# KiCad board tc2-panelized.kicad_pcb (continued)
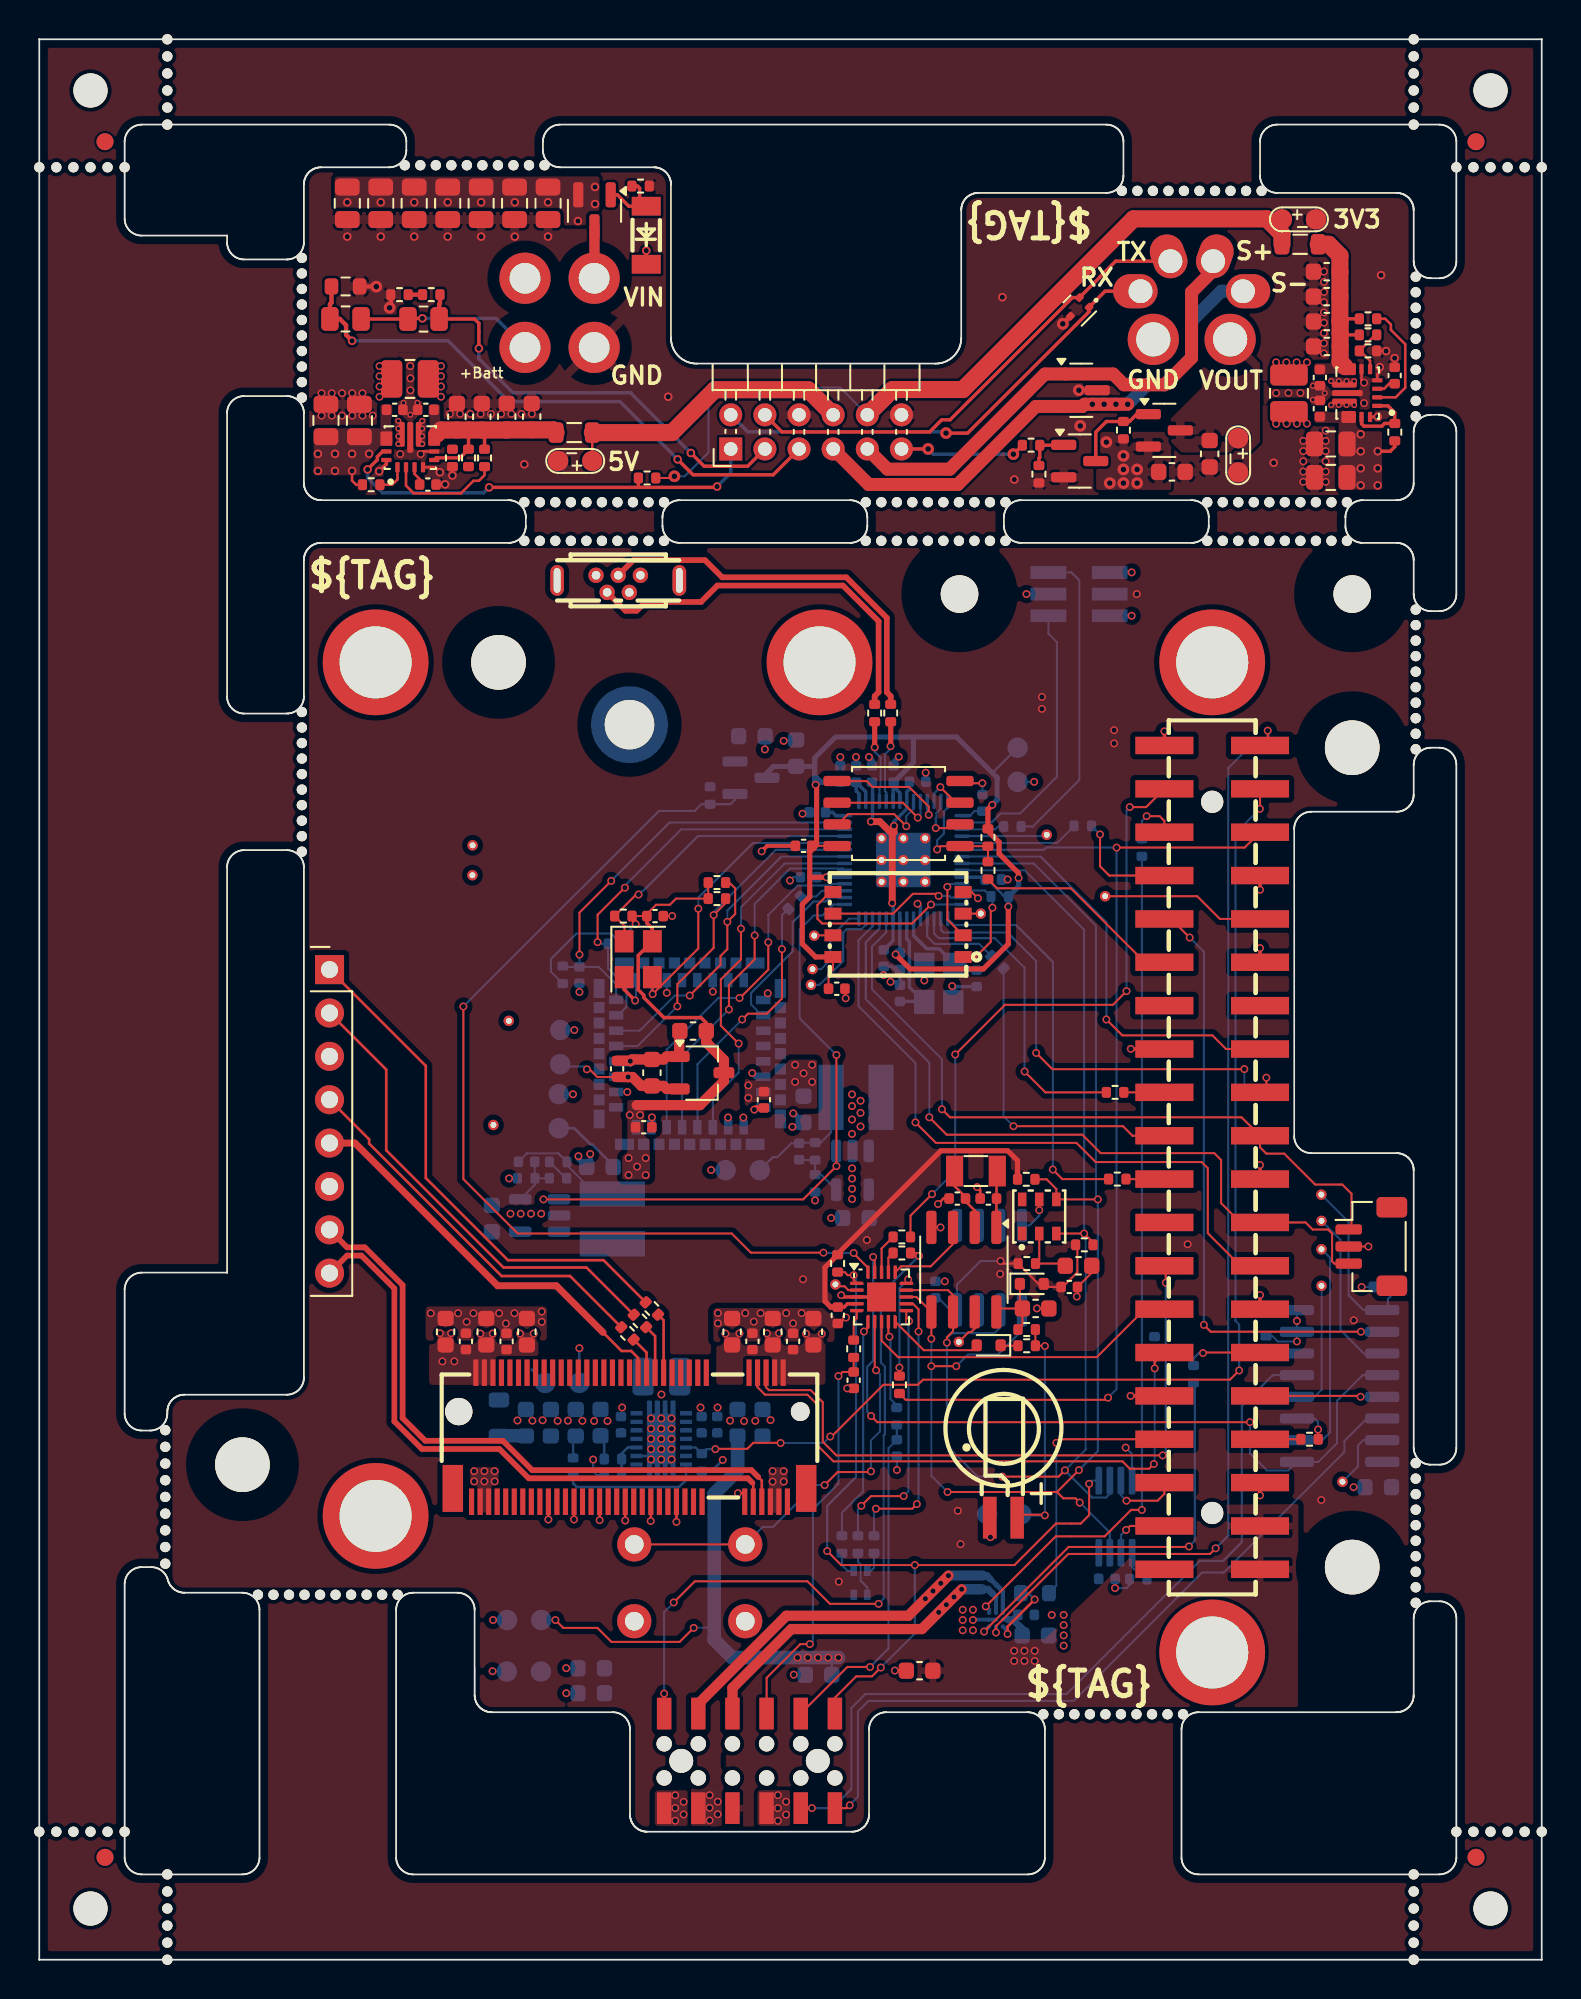
[diagram p0: board, top side]
## Nets (continued)
Board_0-MEM_SPI_SCLK: Board_0-U3.13 Board_0-U4.6
Board_0-MEM_SPI_~{CS}: Board_0-R9.1 Board_0-U3.12 Board_0-U4.1
Board_0-MODEM_POWER_EN: Board_0-J4.38 Board_0-R44.1 Board_0-U5.12
Board_0-MUL_S0: Board_0-J4.31 Board_0-U15.10
Board_0-Net-(D2-K): Board_0-D2.1 Board_0-R7.2
Board_0-Net-(J4-GPIO14/TXD): Board_0-J4.8 Board_0-R37.1
Board_0-Net-(J4-GPIO18/PWM0): Board_0-J4.12 Board_0-R34.2
Board_0-Net-(J4-GPIO19/MISO1): Board_0-J4.35 Board_0-R29.2
Board_0-Net-(J4-GPIO21/SCLK1): Board_0-J4.40 Board_0-R30.2
Board_0-Net-(R20-Pad2): Board_0-R20.2 Board_0-R33.1
Board_0-Net-(U3-XIN): Board_0-C3.2 Board_0-U3.20 Board_0-Y1.1
Board_0-Net-(U3-XOUT): Board_0-C4.2 Board_0-U3.21 Board_0-Y1.3
Board_0-Net-(U5-FB): Board_0-R42.2 Board_0-R45.1 Board_0-U5.3
Board_0-Net-(U5-PG): Board_0-R43.2 Board_0-U5.14
Board_0-Net-(U8-SPI_MISO): Board_0-R16.2 Board_0-U8.12
Board_0-Net-(U12-USIM_CLK): Board_0-R26.1 Board_0-U12.32
Board_0-Net-(U12-USIM_DATA): Board_0-R27.1 Board_0-U12.34
Board_0-Net-(U12-USIM_RST): Board_0-R25.1 Board_0-U12.30
Board_0-Net-(U14-~{SD_MODE}): Board_0-R12.2 Board_0-U14.A1
Board_0-Net-(U15-1Y2): Board_0-TP15.1 Board_0-U15.15
Board_0-Net-(U15-1Y3): Board_0-TP11.1 Board_0-U15.11
Board_0-Net-(U15-2Y2): Board_0-TP16.1 Board_0-U15.2
Board_0-Net-(U15-2Y3): Board_0-TP21.1 Board_0-U15.4
Board_0-Net-(U15-S1): Board_0-R47.2 Board_0-TP7.1 Board_0-U15.9
Board_0-Net-(U18-READY): Board_0-R52.2 Board_0-U18.5
Board_0-OUT_RX: Board_0-J10.2 Board_0-U15.14
Board_0-OUT_TX: Board_0-J10.4 Board_0-U15.5
Board_0-PDM_CLOCK: Board_0-J9.1 Board_0-R28.2
Board_0-PDM_DATA: Board_0-J9.5 Board_0-U3.2
Board_0-QSPI_SCLK: Board_0-U2.6 Board_0-U3.52
Board_0-QSPI_SD0: Board_0-U2.5 Board_0-U3.53
Board_0-QSPI_SD1: Board_0-U2.2 Board_0-U3.55
Board_0-QSPI_SD2: Board_0-U2.3 Board_0-U3.54
Board_0-QSPI_SD3: Board_0-U2.7 Board_0-U3.51
Board_0-QSPI_SS: Board_0-R1.1 Board_0-R2.2 Board_0-U2.1 Board_0-U3.56
Board_0-RPI_PING: Board_0-J4.26 Board_0-U3.7
Board_0-RPI_RX: Board_0-J4.10 Board_0-U15.13
Board_0-RPI_SCL: Board_0-J4.5 Board_0-U18.3
Board_0-RPI_SDA: Board_0-J4.3 Board_0-U18.6
Board_0-RPI_SPI_CS: Board_0-R31.2 Board_0-U3.16
Board_0-RPI_SPI_MISO: Board_0-J4.21 Board_0-R48.2
Board_0-RPI_SPI_MOSI: Board_0-R14.2 Board_0-U3.15
Board_0-RPI_SPI_SCLK: Board_0-R32.2 Board_0-U3.17
Board_0-RPI_TX: Board_0-R37.2 Board_0-U15.3
Board_0-RTC_BT_SENSE_PHY: Board_0-D2.2 Board_0-U1.10
Board_0-RUN: Board_0-J4.16 Board_0-U3.26
Board_0-SCL: Board_0-R11.2 Board_0-U1.14 Board_0-U3.9 Board_0-U6.6 Board_0-U13.3 Board_0-U16.6 Board_0-U18.2
Board_0-SDA: Board_0-R10.2 Board_0-U1.13 Board_0-U3.8 Board_0-U6.5 Board_0-U13.4 Board_0-U16.5 Board_0-U18.7
Board_0-SPEAKER_+: Board_0-J10.9 Board_0-U14.A3
Board_0-SPEAKER_-: Board_0-J10.7 Board_0-U14.B3
Board_0-SPEAKER_SD_MODE: Board_0-J4.7 Board_0-R12.1
Board_0-SW_CLK: Board_0-J3.1 Board_0-J4.22 Board_0-U3.24
Board_0-SWD: Board_0-J3.3 Board_0-J4.18 Board_0-U3.25
Board_0-unconnected-(J1-Pin_1-Pad1): Board_0-J1.1
Board_0-unconnected-(J2-Pin_1-Pad1): Board_0-J2.1
Board_0-unconnected-(J3-PadMP_1): Board_0-J3.MP_1
Board_0-unconnected-(J3-PadMP_2): Board_0-J3.MP_2
Board_0-unconnected-(J4-3V3-Pad1): Board_0-J4.1
Board_0-unconnected-(J4-3V3-Pad17): Board_0-J4.17
Board_0-unconnected-(J4-ID_SC/GPIO1-Pad28): Board_0-J4.28
Board_0-unconnected-(J4-ID_SD/GPIO0-Pad27): Board_0-J4.27
Board_0-unconnected-(J5-Pin_1-Pad1): Board_0-J5.1
Board_0-unconnected-(J6-Pin_1-Pad1): Board_0-J6.1
Board_0-unconnected-(J7-Pin_1-Pad1): Board_0-J7.1
Board_0-unconnected-(J8-Pin_1-Pad1): Board_0-J8.1
Board_0-unconnected-(J12-ID-Pad4): Board_0-J12.4
Board_0-unconnected-(J12-VBUS-Pad1): Board_0-J12.1
Board_0-unconnected-(U5-PS/SYNC-Pad13): Board_0-U5.13
Board_0-unconnected-(U5-VINA-Pad1): Board_0-U5.1
Board_0-unconnected-(U8-GPIO0-Pad5): Board_0-U8.5
Board_0-unconnected-(U8-GPIO1-Pad4): Board_0-U8.4
Board_0-unconnected-(U8-GPIO2-Pad3): Board_0-U8.3
Board_0-unconnected-(U8-MIPI_CLK_N-Pad28): Board_0-U8.28
Board_0-unconnected-(U8-MIPI_CLK_P-Pad29): Board_0-U8.29
Board_0-unconnected-(U8-MIPI_DATA_N-Pad31): Board_0-U8.31
Board_0-unconnected-(U8-MIPI_DATA_P-Pad32): Board_0-U8.32
Board_0-unconnected-(U8-NC-Pad17): Board_0-U8.17
Board_0-unconnected-(U12-ANTCTL_0-Pad59): Board_0-U12.59
Board_0-unconnected-(U12-ANTCTL_1-Pad61): Board_0-U12.61
Board_0-unconnected-(U12-ANTCTL_2-Pad63): Board_0-U12.63
Board_0-unconnected-(U12-ANTCTL_3-Pad65): Board_0-U12.65
Board_0-unconnected-(U12-CONFIG_0-Pad21): Board_0-U12.21
Board_0-unconnected-(U12-CONFIG_1-Pad69): Board_0-U12.69
Board_0-unconnected-(U12-CONFIG_2-Pad75): Board_0-U12.75
Board_0-unconnected-(U12-CONFIG_3-Pad1): Board_0-U12.1
Board_0-unconnected-(U12-DPR-Pad25): Board_0-U12.25
Board_0-unconnected-(U12-GPIO3-Pad64): Board_0-U12.64
Board_0-unconnected-(U12-GPIO40-Pad50): Board_0-U12.50
Board_0-unconnected-(U12-GPIO41-Pad48): Board_0-U12.48
Board_0-unconnected-(U12-GPIO43-Pad46): Board_0-U12.46
Board_0-unconnected-(U12-GPIO44-Pad44): Board_0-U12.44
Board_0-unconnected-(U12-GPIO77-Pad62): Board_0-U12.62
Board_0-unconnected-(U12-I2C_SCL-Pad40): Board_0-U12.40
Board_0-unconnected-(U12-I2C_SDA-Pad42): Board_0-U12.42
Board_0-unconnected-(U12-MP-Pad76): Board_0-U12.76
Board_0-unconnected-(U12-MP-Pad77): Board_0-U12.77
Board_0-unconnected-(U12-NC-Pad29): Board_0-U12.29
Board_0-unconnected-(U12-NC-Pad31): Board_0-U12.31
Board_0-unconnected-(U12-NC-Pad35): Board_0-U12.35
Board_0-unconnected-(U12-NC-Pad37): Board_0-U12.37
Board_0-unconnected-(U12-NC-Pad38): Board_0-U12.38
Board_0-unconnected-(U12-NC-Pad41): Board_0-U12.41
Board_0-unconnected-(U12-NC-Pad43): Board_0-U12.43
Board_0-unconnected-(U12-NC-Pad47): Board_0-U12.47
Board_0-unconnected-(U12-NC-Pad49): Board_0-U12.49
Board_0-unconnected-(U12-NC-Pad53): Board_0-U12.53
Board_0-unconnected-(U12-NC-Pad55): Board_0-U12.55
Board_0-unconnected-(U12-NC-Pad68): Board_0-U12.68
Board_0-unconnected-(U12-PCM_CLK-Pad28): Board_0-U12.28
Board_0-unconnected-(U12-PCM_IN-Pad22): Board_0-U12.22
Board_0-unconnected-(U12-PCM_OUT-Pad24): Board_0-U12.24
Board_0-unconnected-(U12-PCM_SYNC-Pad20): Board_0-U12.20
Board_0-unconnected-(U12-UART_CTS-Pad56): Board_0-U12.56
Board_0-unconnected-(U12-UART_DTR-Pad52): Board_0-U12.52
Board_0-unconnected-(U12-UART_RTS-Pad54): Board_0-U12.54
Board_0-unconnected-(U12-UART_RX-Pad58): Board_0-U12.58
Board_0-unconnected-(U12-UART_TX-Pad60): Board_0-U12.60
Board_0-unconnected-(U12-USIM_DET-Pad66): Board_0-U12.66
Board_0-unconnected-(U12-W_DISABLE2-Pad26): Board_0-U12.26
Board_0-unconnected-(U12-WAKE_ON_WWAN_-Pad23): Board_0-U12.23
Board_0-unconnected-(U12-~{LED_1}-Pad10): Board_0-U12.10
Board_0-unconnected-(U12-~{RESET}-Pad67): Board_0-U12.67
Board_0-unconnected-(U13-NC-Pad1): Board_0-U13.1
Board_0-unconnected-(U13-NC-Pad6): Board_0-U13.6
Board_0-unconnected-(U16-E0-Pad1): Board_0-U16.1
Board_0-unconnected-(U16-E1-Pad2): Board_0-U16.2
Board_0-unconnected-(U16-E2-Pad3): Board_0-U16.3
Board_0-unconnected-(U16-~{WC}-Pad7): Board_0-U16.7
Board_0-USB_D+: Board_0-J12.3 Board_0-R50.2
Board_0-USB_D-: Board_0-J12.2 Board_0-R51.2
Board_0-USIM_CLK: Board_0-J11.2 Board_0-R26.2
Board_0-USIM_DATA: Board_0-J11.4 Board_0-R27.2
Board_0-USIM_RST: Board_0-J11.1 Board_0-R25.2
Board_0-USIM_VDD: Board_0-J11.5 Board_0-U12.36
Board_0-~{EN_RP2040_POWER}: Board_0-Q1.1 Board_0-R38.1 Board_0-U1.20
Board_0-~{LED_B}: Board_0-LED1.3 Board_0-R4.2
Board_0-~{LED_G}: Board_0-LED1.4 Board_0-R3.2
Board_0-~{LED_R}: Board_0-LED1.1 Board_0-R5.2
Board_0-~{PI_POWERED_OFF}: Board_0-J4.13 Board_0-U1.8
Board_0-~{PI_SHUTDOWN}: Board_0-J4.37 Board_0-R35.2
Board_0-~{READ_ATTINY_CMD_REG}: Board_0-J4.36 Board_0-R15.2 Board_0-U3.6
Board_0-~{RTC_INT}: Board_0-U1.16 Board_0-U6.3
Board_0-~{W_DISABLE1}: Board_0-J4.11 Board_0-R24.2 Board_0-U12.8
Board_1-5V_EN: Board_1-J3.1 Board_1-R9.2 Board_1-U2.14
Board_1-+3V3: Board_1-FB1.2 Board_1-J3.10 Board_1-R9.1 Board_1-TP2.2
Board_1-+5V: Board_1-FB2.2 Board_1-J3.8 Board_1-TP3.2
Board_1-/+Batt: Board_1-J1.4 Board_1-R5.1 Board_1-R6.1
Board_1-/Ch_GND: Board_1-J1.3
Board_1-BATT_SENSE_HV: Board_1-J3.3 Board_1-R6.2 Board_1-R8.1
Board_1-BATT_SENSE_LV: Board_1-J3.5 Board_1-R5.2 Board_1-R7.1
Board_1-EN_PERIPH_POWER: Board_1-J3.11 Board_1-R2.1
Board_1-GND: Board_1-C1.2 Board_1-C2.2 Board_1-C3.2 Board_1-C4.2 Board_1-C5.2 Board_1-C6.2 Board_1-C7.2 Board_1-C8.2 Board_1-C9.2 Board_1-C10.2 Board_1-C11.2 Board_1-C12.2 Board_1-C13.2 Board_1-C14.2 Board_1-C15.2 Board_1-C16.2 Board_1-C17.2 Board_1-C18.2 Board_1-C19.2 Board_1-C20.2 Board_1-C21.2 Board_1-C22.2 Board_1-C23.2 Board_1-C24.2 Board_1-C25.2 Board_1-C26.2 Board_1-C27.2 Board_1-D2.3 Board_1-D3.3 Board_1-J1.1 Board_1-J2.1 Board_1-J3.6 Board_1-J3.12 Board_1-Q3.2 Board_1-R3.1 Board_1-R4.2 Board_1-R7.2 Board_1-R10.2 Board_1-R13.2 Board_1-R17.2 Board_1-TP1.1 Board_1-TP2.1 Board_1-TP3.1 Board_1-U1.4 Board_1-U1.6 Board_1-U1.10 Board_1-U1.15 Board_1-U2.4 Board_1-U2.6 Board_1-U2.10 Board_1-U2.15
Board_1-Net-(D1-A): Board_1-D1.2 Board_1-Q2.1 Board_1-R4.1
Board_1-Net-(Q1-G): Board_1-Q1.1 Board_1-Q3.3 Board_1-R1.1
Board_1-Net-(Q3-G): Board_1-Q3.1 Board_1-R2.2 Board_1-R3.2
Board_1-Net-(R10-Pad1): Board_1-R8.2 Board_1-R10.1
Board_1-Net-(U1-EN): Board_1-R12.2 Board_1-U1.1 Board_1-U1.14
Board_1-Net-(U1-FB): Board_1-R11.2 Board_1-R13.1 Board_1-U1.5
Board_1-Net-(U1-PG): Board_1-R14.2 Board_1-U1.2
Board_1-Net-(U1-Vaux): Board_1-C12.1 Board_1-U1.3
Board_1-Net-(U2-PG): Board_1-R18.2 Board_1-U2.2
Board_1-Net-(U2-PS/SYNC): Board_1-R16.2 Board_1-U2.1
Board_1-Net-(U2-Vaux): Board_1-C21.1 Board_1-U2.3
Board_1-OUT_RX: Board_1-D2.1 Board_1-J2.2 Board_1-J3.2
Board_1-OUT_TX: Board_1-D2.2 Board_1-J2.3 Board_1-J3.4
Board_1-SPEAKER_+: Board_1-D3.1 Board_1-J2.4 Board_1-J3.9
Board_1-SPEAKER_-: Board_1-D3.2 Board_1-J2.5 Board_1-J3.7
Board_1-unconnected-(R15-Pad2): Board_1-R15.2
Board_1-unconnected-(R17-Pad1): Board_1-R17.1
Board_1-VCC: Board_1-C1.1 Board_1-C2.1 Board_1-C4.1 Board_1-C5.1 Board_1-C6.1 Board_1-C13.1 Board_1-C14.1 Board_1-C15.1 Board_1-C22.1 Board_1-C23.1 Board_1-C24.1 Board_1-C25.1 Board_1-C26.1 Board_1-C27.1 Board_1-D1.1 Board_1-Q1.2 Board_1-Q2.2 Board_1-R1.2 Board_1-R12.1 Board_1-R16.1 Board_1-U1.12,13 Board_1-U2.12,13
Board_1-VOUT: Board_1-C3.1 Board_1-J2.6 Board_1-Q1.3 Board_1-TP1.2

## Via types
v1: diameter 0.46, hole 0.3, Top to Bottom, 455 vias
v2: diameter 0.686, hole 0.33, Top to Bottom, 20 vias
v3: diameter 0.5, hole 0.3, Top to Bottom, 54 vias
v4: diameter 0.35, hole 0.2, Top to Bottom, 22 vias

## Routing (per net, layer and track width the routed paths; a pad name or vN(x,y) marks a point on that pad's centre or on a via; arc(x,y) is an arc through that point)
Board_1-/3V3_L1:
  vias: v1(72.44,89.97) v1(73.06,89.98) v1(73.66,89.98) v1(74.25,89.98) v4(75.66,91.08) v4(76.12,91.08) v4(76.56,91.08) v4(77.02,91.08)
Board_1-/3V3_L2:
  vias: v1(72.44,93.58) v1(73.05,93.58) v1(73.64,93.58) v1(74.25,93.58) v4(75.66,92.47) v4(76.12,92.47) v4(76.56,92.47) v4(77.02,92.47)
Board_1-/3V3_PHY: length 10.5
  Top w0.2: Board_1-R14.1 76.35,96.12 Board_1-C9.1 ; 76.19,95.28 76.28,95.19 Board_1-R11.1
  Top w1: 76.47,93.33 76.19,93.6 Board_1-C8.1 Board_1-C9.1 76.18,95.97 Board_1-C10.1 Board_1-C11.1 76.18,99.83 75.52,100.49 Board_1-FB1.1
Board_1-/5V_L1:
  vias: v1(19.93,93.35) v1(19.93,92.76) v1(19.93,92.16) v1(19.93,91.56) v4(21.03,90.15) v4(21.03,89.69) v4(21.03,89.24) v4(21.03,88.79)
Board_1-/5V_L2:
  vias: v1(23.53,93.35) v1(23.53,92.76) v1(23.53,92.16) v1(23.53,91.56) v4(22.43,90.15) v4(22.43,89.69) v4(22.43,89.25) v4(22.43,88.79)
Board_1-/5V_PHY: length 11.8
  Top w0.2: Board_1-R18.1 26.08,89.45 Board_1-C18.1 ; 25.13,89.61 25.14,89.6 Board_1-R15.1 24.64,87.98 23.25,87.98 Board_1-U2.5
  Top w1: 23.28,89.35 23.54,89.61 Board_1-C17.1 Board_1-C18.1 27.37,89.61 Board_1-C19.1 Board_1-C20.1 30.11,89.62 Board_1-FB2.1
Board_1-/VIN_PHY: length 3
  Top w0.6: Board_1-J1.2 32.52,98.52 Board_1-Q2.3
Board_0-4G_POWER_ON: length 38.7
  Top w0.12: 42.56,34.89 42.56,33.54 42.73,33.37 45.18,33.37 45.89,32.66 45.89,30.34 46.69,29.54 v1(65.8,29.54) ; v1(65.98,39.66) 65.98,40.57
  Bottom w0.12: v1(65.98,39.66) 65.98,29.73 v1(65.8,29.54)
Board_0-4G_USB_D+: length 37.2
  Top w0.15: 42.11,28.28 42.32,28.07 Board_0-U12.7
  Top w0.33: Board_0-J11.7 18.03,41.73 19.07,41.73 21.28,39.52 21.28,31.73 22.61,30.4 27.15,30.4 28.87,28.68 41.71,28.68 42.11,28.28
Board_0-4G_USB_D-: length 36.4
  Top w0.15: 41.77,27.94 41.82,27.89 Board_0-U12.9
  Top w0.33: Board_0-J11.8 18.03,41.25 18.87,41.25 20.8,39.32 20.8,31.53 22.41,29.92 26.95,29.92 28.67,28.2 41.51,28.2 41.77,27.94
Board_0-5V_EN: length 49
  Top w0.12: Board_0-J10.1 46.6,15.35 47.85,16.6 48.77,16.6 v1(49.29,17.12) ; v1(61.49,27.88) 61.49,26.04 61,25.55 59.55,25.55 57.12,23.12 v1(51.28,23.12) 46.97,23.12 v1(46.15,23.94) ; Board_0-U1.1 47.7,39.81 v1(47.7,40.1) 47.35,40.1 47.17,40.28 Board_0-R6.1
  Bottom w0.12: v1(61.49,27.88) 61.67,28.06 Board_0-U18.1 ; v1(46.15,23.94) 46.15,26.59 47.84,28.28 47.84,39.96 v1(47.7,40.1) ; v1(49.29,17.12) 51.28,19.11 v1(51.28,23.12)
Board_0-+1V1: length 14.4
  Top w0.4: v1(50.06,66.42) 50.06,66.03 49.96,65.93 ; 49.96,65.93 v1(49.96,61.9) ; 49.96,65.93 49.96,65.95 49.23,66.67 v1(48.71,66.67)
  Bottom w0.2: v1(50.06,66.42) 50.06,66.67 50.81,67.42 Board_0-U3.50 50.81,68.41 50.97,68.57 50.97,68.98 ; 49.46,59.16 50.01,59.7 Board_0-U3.23 50.01,61.85 v1(49.96,61.9) ; v1(48.71,66.67) 48.81,66.77 Board_0-U3.45 48.81,68.95
Board_0-+1V2: length 7.1
  Bottom w0.12: Board_0-C42.2 44.05,47.83 43.23,47.01 42.96,47.01 Board_0-TP8.2 ; 44.54,47.87 Board_0-R22.2 45.78,47.87 46.38,48.47 Board_0-L2.2
  vias: v1(41.53,51.22) v1(41.53,50.49) v1(44.27,52.43) v1(44.27,51.43) v1(44.77,51.93) v1(45.27,52.43) v1(45.27,51.43)
Board_0-+2V8: length 8.3
  Top w0.12: v1(32.07,52.16) 32.23,52.16 32.69,51.71 33.84,51.71
  Top w0.6: 33.84,51.71 34.49,51.71 v1(34.49,51.71) 34.5,51.71 34.75,51.71 35.27,51.19 Board_0-C23.1 36.57,51.19 36.74,51.01 37.48,51.01
  Bottom w0.12: v1(32.07,52.16) 31.9,52.33 30.64,52.33 Board_0-TP5.2
  Bottom w0.6: v1(34.49,51.71) 34.48,51.73 Board_0-U8.19
Board_0-+3V0: length 43.8
  Top w0.12: Board_0-R13.1 Board_0-R36.1 37.3,62.16 36.93,61.8 36.12,61.8 35.59,61.26 Board_0-C24.1 Board_0-R17.2 34.72,60.88 v1(34.93,60.67)
  Top w0.2: Board_0-C24.1 35.59,60.73 35.91,60.41 Board_0-U9.4 35.08,58.83 35.08,56.82 35.41,56.49 35.41,56.36 36.58,55.19 38.75,55.19 39.07,54.88 Board_0-C21.1
  Top w0.6: Board_0-C21.1 39.07,53.74 40.1,52.7 40.1,51.47 38.69,50.06 34.99,50.06
  Bottom w0.12: 30.91,46.73 30.4,47.24 28.56,47.24 Board_0-C41.2 ; Board_0-R19.1 29.97,57.88 29.96,57.88 29.96,58.62 31.45,60.11 33.49,60.11 33.77,59.83 33.77,59.83 34.09,59.52 Board_0-R18.1 34.34,60.08 v1(34.93,60.67) ; 32.6,44.86 30.91,46.55
  Bottom w0.15: Board_0-C30.1 33.62,46.53 32.39,47.75 32.3,47.75 31.34,48.71 Board_0-TP4.2
  vias: v1(34.52,46.96) v1(34.52,45.96) v1(34.58,49.49) v1(35.02,46.46) v1(35.19,49.49) v1(35.52,46.96) v1(35.52,45.96)
Board_0-+3V3: length 32.9
  Top w0.12: Board_0-R11.1 60.8,41.78 60.8,40.27 59.94,39.41 Board_0-C17.1 59.02,39.41 Board_0-D3.2 58.52,39.59 Board_0-R39.1 56.45,40.78 v1(56.3,40.93)
  Top w0.2: Board_0-C1.2 47.14,38.23 47.33,38.42 Board_0-U1.4
  Top w0.3: Board_0-R6.2 46.02,40.56 46.02,38.57 46.36,38.23 Board_0-C1.2 ; 46.71,41.29 52.81,47.39 56.72,47.39 57.3,46.81 Board_0-R10.1
  Bottom w0.12: Board_0-C48.2 52.64,38.78 53.35,38.07 Board_0-U16.8 53.75,39.55 55.13,40.93 v1(56.3,40.93)
  vias: v1(39.26,9.64) v1(39.26,8.9) v1(39.26,8.16) v1(39.74,9.26) v1(39.74,8.52) v1(44.73,39.86) v1(46.83,22.15) v1(48.47,42.16) v1(53.8,26.3) v1(53.96,24.34) v1(56.28,40.17) v1(58.73,73.97) v1(58.73,73.28) v1(62.95,72.03) v1(62.95,71.25) v1(64.28,80) v1(67.26,41.91) v1(75.09,26.93) v1(76.99,37.46)
Board_0-+3V3_rp2040: length 75.4
  Top w0.12: Board_0-C16.1 46.23,57.75 46.49,58.01 Board_0-U4.8 ; Board_0-C2.1 46.72,65.25
  Top w0.3: v1(50.16,58.88) 51,58.04 55.3,58.04 56.76,59.5 v1(56.76,61.69) ; 45.13,64.9 45.13,65.13 ; 45.13,64.9 45.53,65.3 45.53,68.77 v1(45.47,68.83) ; 45.13,64.9 45.13,63.41 ; 45.13,63.41 45.13,62.26 44.69,61.82 44.69,59.52 45.47,58.74 Board_0-U4.8 ; 45.13,63.41 v1(46.11,63.41) ; v1(57.36,63.37) 57.36,63.65 56.22,64.79 56.22,65.47 55.92,65.77 55.56,66.12 Board_0-R2.1 55.56,67.39 v1(55.82,67.65)
  Bottom w0.12: Board_0-TP3.2 55.84,69.54 55.84,69.51 ; 54.51,67.02 54.78,67.29 Board_0-C12.1
  Bottom w0.15: 55.53,63.28 56.53,62.28 Board_0-R9.2
  Bottom w0.2: Board_0-U3.42 46.66,67.02 46.47,67.21 Board_0-C11.1 ; Board_0-C14.1 50.04,68.72 50.41,68.35 Board_0-U3.49 ; Board_0-U3.43 48.01,68.3 47.85,68.46 Board_0-C9.1 48.41,68.42 Board_0-U3.44 ; Board_0-U3.33 45.72,63.42 45.71,63.41 ; 50.41,59.16 50.41,59.14 ; 50.41,59.16 Board_0-U3.22 ; 50.41,59.16 50.41,59.14 ; 50.41,59.14 v1(50.16,58.88) ; 54.51,67.02 Board_0-U3.1 ; Board_0-U3.10 55.26,63.42 ; Board_0-U3.48 50.01,68.95
  Bottom w0.3: Board_0-C14.1 51.2,70.14 51.2,71.6 51.22,71.62 ; 46.44,68.98 Board_0-C9.1 ; 46.44,68.98 Board_0-C15.1 ; 46.44,68.98 45.79,68.98 45.42,69.35 ; 45.42,69.9 45.42,70.4 46.64,71.62 51.22,71.62 ; 45.42,69.9 45.42,68.88 v1(45.47,68.83) ; 45.42,69.9 45.41,69.91 Board_0-C38.1 43.01,69.91 42.62,69.52 Board_0-Q1.3 ; 56.11,67.94 v1(55.82,67.65) ; 56.11,67.94 55.46,67.29 Board_0-C12.1 ; 56.11,67.94 56.11,69.25 53.74,71.62 51.22,71.62 ; v1(56.76,61.69) 56.77,61.7 Board_0-R9.2 57.36,62.87 v1(57.36,63.37)
Board_0-+3V8: length 1.1
  Bottom w0.15: Board_0-TP1.2 28.85,34.57
  vias: v1(23.47,36.7) v1(23.61,35.05) v1(24.12,36.7) v1(24.31,35.05) v1(25.83,36.68) v1(26.56,36.68) v1(28.16,36.68) v1(28.96,36.68) v1(40.19,36.68) v1(41.01,36.69) v1(42.62,36.69) v1(43.33,36.7) v1(44.91,36.67) v1(45.83,36.67)
Board_0-+5V: length 34.4
  Top w0.12: 38.36,19.45 38.35,19.44 v1(38.33,19.44) 37.51,18.62 33.51,18.62 32.69,19.44 30.69,19.44 v1(30.23,19.9)
  Bottom w0.12: Board_0-TP10.2 v1(30.23,19.9) ; 38.36,19.45 39.53,19.45 ; 46.31,17.7 46.41,17.59 Board_0-C64.1
  Bottom w0.23: Board_0-U14.A2 56.74,19.93 56.74,19.92
  Bottom w0.4: 57.04,19.92 56.74,19.92 56.77,19.9 ; 57.04,19.92 Board_0-C29.2 ; 57.04,19.92 57.56,19.39 Board_0-C28.1
  Bottom w0.8: v1(46.81,17.7) 40.58,17.7 39.53,18.75 39.53,27.3 40.9,28.67 Board_0-C55.1
  vias: v1(44.41,17.7) v1(45.01,17.7) v1(45.61,17.7) v1(46.21,17.7) v1(57.1,18.1) v1(57.1,17.5) v1(57.7,18.1) v1(57.7,17.5) v1(58.3,18.1) v1(58.3,17.5)
Board_0-/AHT21_VDD: length 3.6
  Top w0.12: Board_0-U13.2 58.57,41 Board_0-R39.2 59.97,40.78 60.09,40.65
Board_0-/ATtiny1616/ATTINY_PA3: length 1.1
  Top w0.12: Board_0-U1.2 47.39,39.23 47.17,39.45 46.83,39.45
Board_0-/ATtiny1616/ATtiny_SW: length 24.7
  Top w0.12: v1(46,27.81) 46.76,28.57 48.67,28.57 v1(48.71,28.61) ; Board_0-U1.7 48.93,34.61 v1(49.01,34.53) ; Board_0-SW1.1 Board_0-SW1.1
  Bottom w0.12: Board_0-SW1.1 42.38,25.36 42.98,25.36 45.43,27.81 v1(46,27.81) ; v1(49.01,34.53) 49.24,34.3 49.24,30.95 48.71,30.42 v1(48.71,28.61)
Board_0-/ATtiny1616/EN_PERIPH_POWER_PHY: length 1.2
  Top w0.12: Board_0-R46.1 49.73,41.12 Board_0-U1.17
Board_0-/ATtiny1616/~{LED_B_PHY}: length 15.6
  Top w0.12: Board_0-U1.11 50.78,37.57 v1(50.94,37.41) ; v1(48.15,26.59) 48.72,27.16 v1(50.63,27.16)
  Bottom w0.12: v1(50.63,27.16) 50.9,27.43 50.9,37.37 v1(50.94,37.41) ; v1(48.15,26.59) 47.95,26.39 Board_0-R4.1
Board_0-/ATtiny1616/~{LED_G_PHY}: length 16.4
  Top w0.12: v1(51.5,36.8) 51.5,38.1 51.17,38.42 Board_0-U1.12 ; v1(51.4,26.69) 51.13,26.42 v1(49,26.42)
  Bottom w0.12: Board_0-R3.1 48.89,26.31 v1(49,26.42) ; v1(51.4,26.69) 51.5,26.79 v1(51.5,36.8)
Board_0-/ATtiny1616/~{LED_R_PHY}: length 13.2
  Top w0.12: Board_0-U1.6 48.53,37.03 v1(48.3,36.8)
  Bottom w0.12: v1(48.3,36.8) 48.26,36.76 48.26,27.42 47.01,26.18 Board_0-R5.1
Board_0-/ATtiny1616/~{PI_SHUTDOWN_PHY}: length 2.3
  Top w0.12: Board_0-R35.1 49.33,41.66 Board_0-U1.18
Board_0-/ATtiny1616/~{READ_ATTINY_CMD_REG_PHY}: length 6.2
  Top w0.12: Board_0-R15.1 v1(50.38,34.69) ; Board_0-U1.15 50.89,39.73 v1(50.89,39.86)
  Bottom w0.12: v1(50.89,39.86) 50.38,39.34 v1(50.38,34.69)
Board_0-/GPIO2: length 5
  Bottom w0.12: Board_0-U3.4 58.93,65.82 Board_0-TP12.1
Board_0-/GPIO16: length 5.6
  Bottom w0.12: Board_0-TP26.1 45.69,57.11 47.09,58.51 47.09,60.17 47.28,60.37 48.15,60.37 48.41,60.62
Board_0-/GPIO17: length 4.7
  Bottom w0.12: Board_0-TP27.1 45.8,58.03 46.33,58.56 46.33,59.88 47.43,60.98 Board_0-U3.28
Board_0-/I2C_BUS_LOCK_PHY: length 7
  Bottom w0.12: Board_0-R53.2 60.61,66.41 59.62,65.41 54.05,65.41 Board_0-U3.5
Board_0-/Lepton/FB_1V2: length 3.4
  Bottom w0.12: Board_0-U11.5 45.8,45.99 Board_0-R23.1 Board_0-R22.1 44.52,46.85
Board_0-/Lepton/FB_3V0: length 3.4
  Bottom w0.12: 28.17,44.55 29.03,45.4 29.03,45.78 Board_0-R20.1 ; Board_0-C41.1 29.02,45.78
Board_0-/MEM_~{HOLD}/IO3: length 1.1
  Top w0.12: Board_0-TP41.1 45.41,60.01 Board_0-U4.7
Board_0-/MEM_~{WP}/IO2: length 1
  Top w0.12: Board_0-U4.3 Board_0-TP40.1
Board_0-/modem/MODEM_3V8: length 4.4
  Bottom w0.12: Board_0-R43.1 31.27,30.54 Board_0-C52.1
  Bottom w0.15: 32.88,30.69 33.09,30.48 Board_0-R42.1
  Bottom w0.8: Board_0-C60.1 26.94,30.69 Board_0-FB1.1
Board_0-/PDM_CLOCK_PHY: length 2.5
  Bottom w0.12: Board_0-U3.3 56,66.22 56.16,66.38 Board_0-R28.1
Board_0-/Raspberry_Pi/GPIO12: length 9.6
  Top w0.12: Board_0-J4.32 69.15,60.97 67.82,62.3 Board_0-TP22.1
Board_0-/Raspberry_Pi/RPI_SPI_CS_: length 1.4
  Top w0.12: v1(71.87,51.67) 71.87,51.18
  Bottom w0.12: Board_0-R31.1 v1(71.87,51.67)
Board_0-/Raspberry_Pi/RPI_SPI_MOSI_: length 2.2
  Top w0.12: Board_0-J4.19 Board_0-R14.1
Board_0-/Raspberry_Pi/RPI_SPI_SCLK_: length 2.4
  Top w0.12: Board_0-J4.23 Board_0-R32.1
Board_0-/Raspberry_Pi/~{UART_MULTIPLEX_EN}: length 1.8
  Bottom w0.12: Board_0-R41.2 71.86,35.52 Board_0-U15.6
Board_0-/RPI_SPI_MISO_PHY: length 5.3
  Bottom w0.12: Board_0-U3.18 52.01,59.94 52.44,59.51 55.05,59.51 Board_0-R48.1
Board_0-/RTC_BATTERY: length 14.5
  Top w0.12: v1(58.9,26.03) 58.86,26.07 57.23,26.07 ; Board_0-R8.2 Board_0-R7.1 58.88,35.97 v1(58.9,35.95)
  Bottom w0.12: v1(58.9,35.95) v1(58.9,26.03) 57.59,26.03 Board_0-TP13.2
Board_0-/RTC_CLKO: length 2.2
  Top w0.12: Board_0-U6.7 54.79,36.97 54.58,36.77 54.43,36.77 Board_0-TP17.1
Board_0-/RTC_OSCI: length 3.3
  Top w0.15: Board_0-Y2.2 56.07,46.16 Board_0-C63.1 56.06,44.58 Board_0-U6.1
Board_0-/RTC_OSCO: length 3.8
  Top w0.15: Board_0-Y2.1 53.61,45.32 54.25,44.68 Board_0-C61.1 54.25,44.43 54.79,43.89 Board_0-U6.2
Board_0-/RTC_VDD: length 4
  Top w0.12: Board_0-R8.1 57.58,37.18 Board_0-C18.1 56.26,38.15 ; Board_0-D3.1 57.43,38.3
Board_0-/USB_D+_PHY: length 4.9
  Top w0.3: Board_0-R50.1 49.87,71.1 v1(49.86,71.09)
  Bottom w0.12: v1(49.86,71.09) 49.87,71.09 49.87,70.95 49.53,70.61 49.53,68.47 49.61,68.39 Board_0-U3.47
Board_0-/USB_D-_PHY: length 4.9
  Top w0.3: Board_0-R51.1 v1(48.93,71.02)
  Bottom w0.12: Board_0-U3.46 49.21,68.63 49.28,68.7 49.28,70.42 48.93,70.77 48.93,71.09
Board_0-ATtiny_RESET_UPDI: length 46.6
  Top w0.12: Board_0-U1.19 48.93,41.08 v1(48.84,41.17) ; v1(48.73,31.85) 49.09,31.49 v1(70.91,31.49)
  Bottom w0.12: v1(48.84,41.17) 48.84,35.09 48.49,34.74 48.49,32.08 v1(48.73,31.85) ; Board_0-U15.12 77.52,34.24 76.01,32.74 76.01,30.26 74.91,29.16 Board_0-U15.1 73.16,28.66 71.91,28.66 70.91,29.66 v1(70.91,31.49)
Board_0-BATT_SENSE_HIGH_VOLTAGE_PHY: length 5.2
  Top w0.12: v1(49.8,36.5) 49.73,36.56 Board_0-U1.9
  Bottom w0.12: 49.8,36.49 v1(49.8,36.5) 49.85,36.45 49.85,32.85 50.22,32.48 Board_0-R40.1
Board_0-BATT_SENSE_HV: length 20
  Top w0.12: Board_0-J10.3 47.33,17.15 v1(48.66,17.15)
  Bottom w0.12: Board_0-R40.2 50.23,31.31 Board_0-C44.2 49.74,29.97 49.74,18.23 v1(48.66,17.15)
Board_0-BATT_SENSE_LOW_VOLTAGE_PHY: length 1.8
  Top w0.12: Board_0-R49.1 47.7,37.39 47.88,37.57 Board_0-U1.5
Board_0-BATT_SENSE_LV: length 23.7
  Top w0.12: Board_0-R49.2 Board_0-C56.2 47.05,34.43 v1(46.81,34.19) ; Board_0-J10.5 42.6,16.51 44.58,18.49 v1(45.13,18.49)
  Bottom w0.12: v1(45.13,18.49) 45.31,18.67 45.31,26.39 46.81,27.89 v1(46.81,34.19)
Board_0-BOOT_MODE: length 12.3
  Top w0.12: Board_0-R1.2 56.1,62.77 60.41,62.77 64.75,58.43 Board_0-J4.29
Board_0-EN_PERIPH_POWER: length 41.9
  Top w0.12: Board_0-J10.11 v1(36.6,15.59) ; v1(37.16,20.93) 38.4,22.17 44.99,22.17 46.31,20.85 v1(49.16,20.85) ; Board_0-R46.2 51.36,41.4 v1(51.53,41.23)
  Bottom w0.12: v1(37.16,20.93) 36.6,20.37 v1(36.6,15.59) ; v1(51.53,41.23) 49.29,38.99 49.29,34.98 49.52,34.74 49.52,30.79 49.46,30.72 49.46,21.15 v1(49.16,20.85)
Board_0-GND: length 105.8
  Top w0.12: v1(55.24,68.92) 54.09,68.92 ; v1(52.79,42.9) 52.78,42.9 Board_0-U6.4 ; 35.85,49.38 v1(35.88,49.35) Board_0-C20.2 ; 34.31,27.33 34.31,26.59 ; 37.31,27.33 37.31,26.32 ; 41.31,27.33 40.92,27.33 v1(40.92,27.33) ; Board_0-C18.2 58.44,38.15 v1(58.44,38.16) ; v1(37.07,61.14) 37.07,61.14 Board_0-C24.2 ; Board_0-U4.4 54.61,62.55 v1(54.98,62.18) ; 32.81,27.33 32.81,26.33 ; Board_0-C1.1 46.9,37.27 v1(47.25,37.62) ; 31.31,27.33 31.31,26.33 ; Board_0-C56.1 v1(47.33,33.47) ; Board_0-J3.2 v1(77.85,41.78) ; 29.81,27.33 29.81,26.32 ; 35.81,27.33 35.81,26.35 ; v1(47.23,56.32) 47.19,56.36 Board_0-C16.2 ; v1(60.77,38.85) 60.81,38.89 Board_0-C17.2 61.64,40.24 Board_0-C39.2 ; Board_0-U13.5 v1(58.57,43.91)
  Top w0.15: 55.71,26.07 v1(55.71,24.75) ; v1(35.81,25.7) 35.82,25.71 Board_0-U12.33 ; v1(54.93,45.26) 55.11,45.08 Board_0-C63.2 ; Board_0-U12.39 v1(34.32,25.73) ; Board_0-U12.27 v1(37.32,25.65) ; Board_0-C61.2 52.96,44.59 v1(52.64,44.27) ; Board_0-U12.45 v1(32.82,25.75) ; Board_0-U12.51 v1(31.32,25.79) ; Board_0-U12.57 v1(29.82,25.79)